# Altium PCB miniBackplane.PcbDoc (part 1 of 24) (continued)
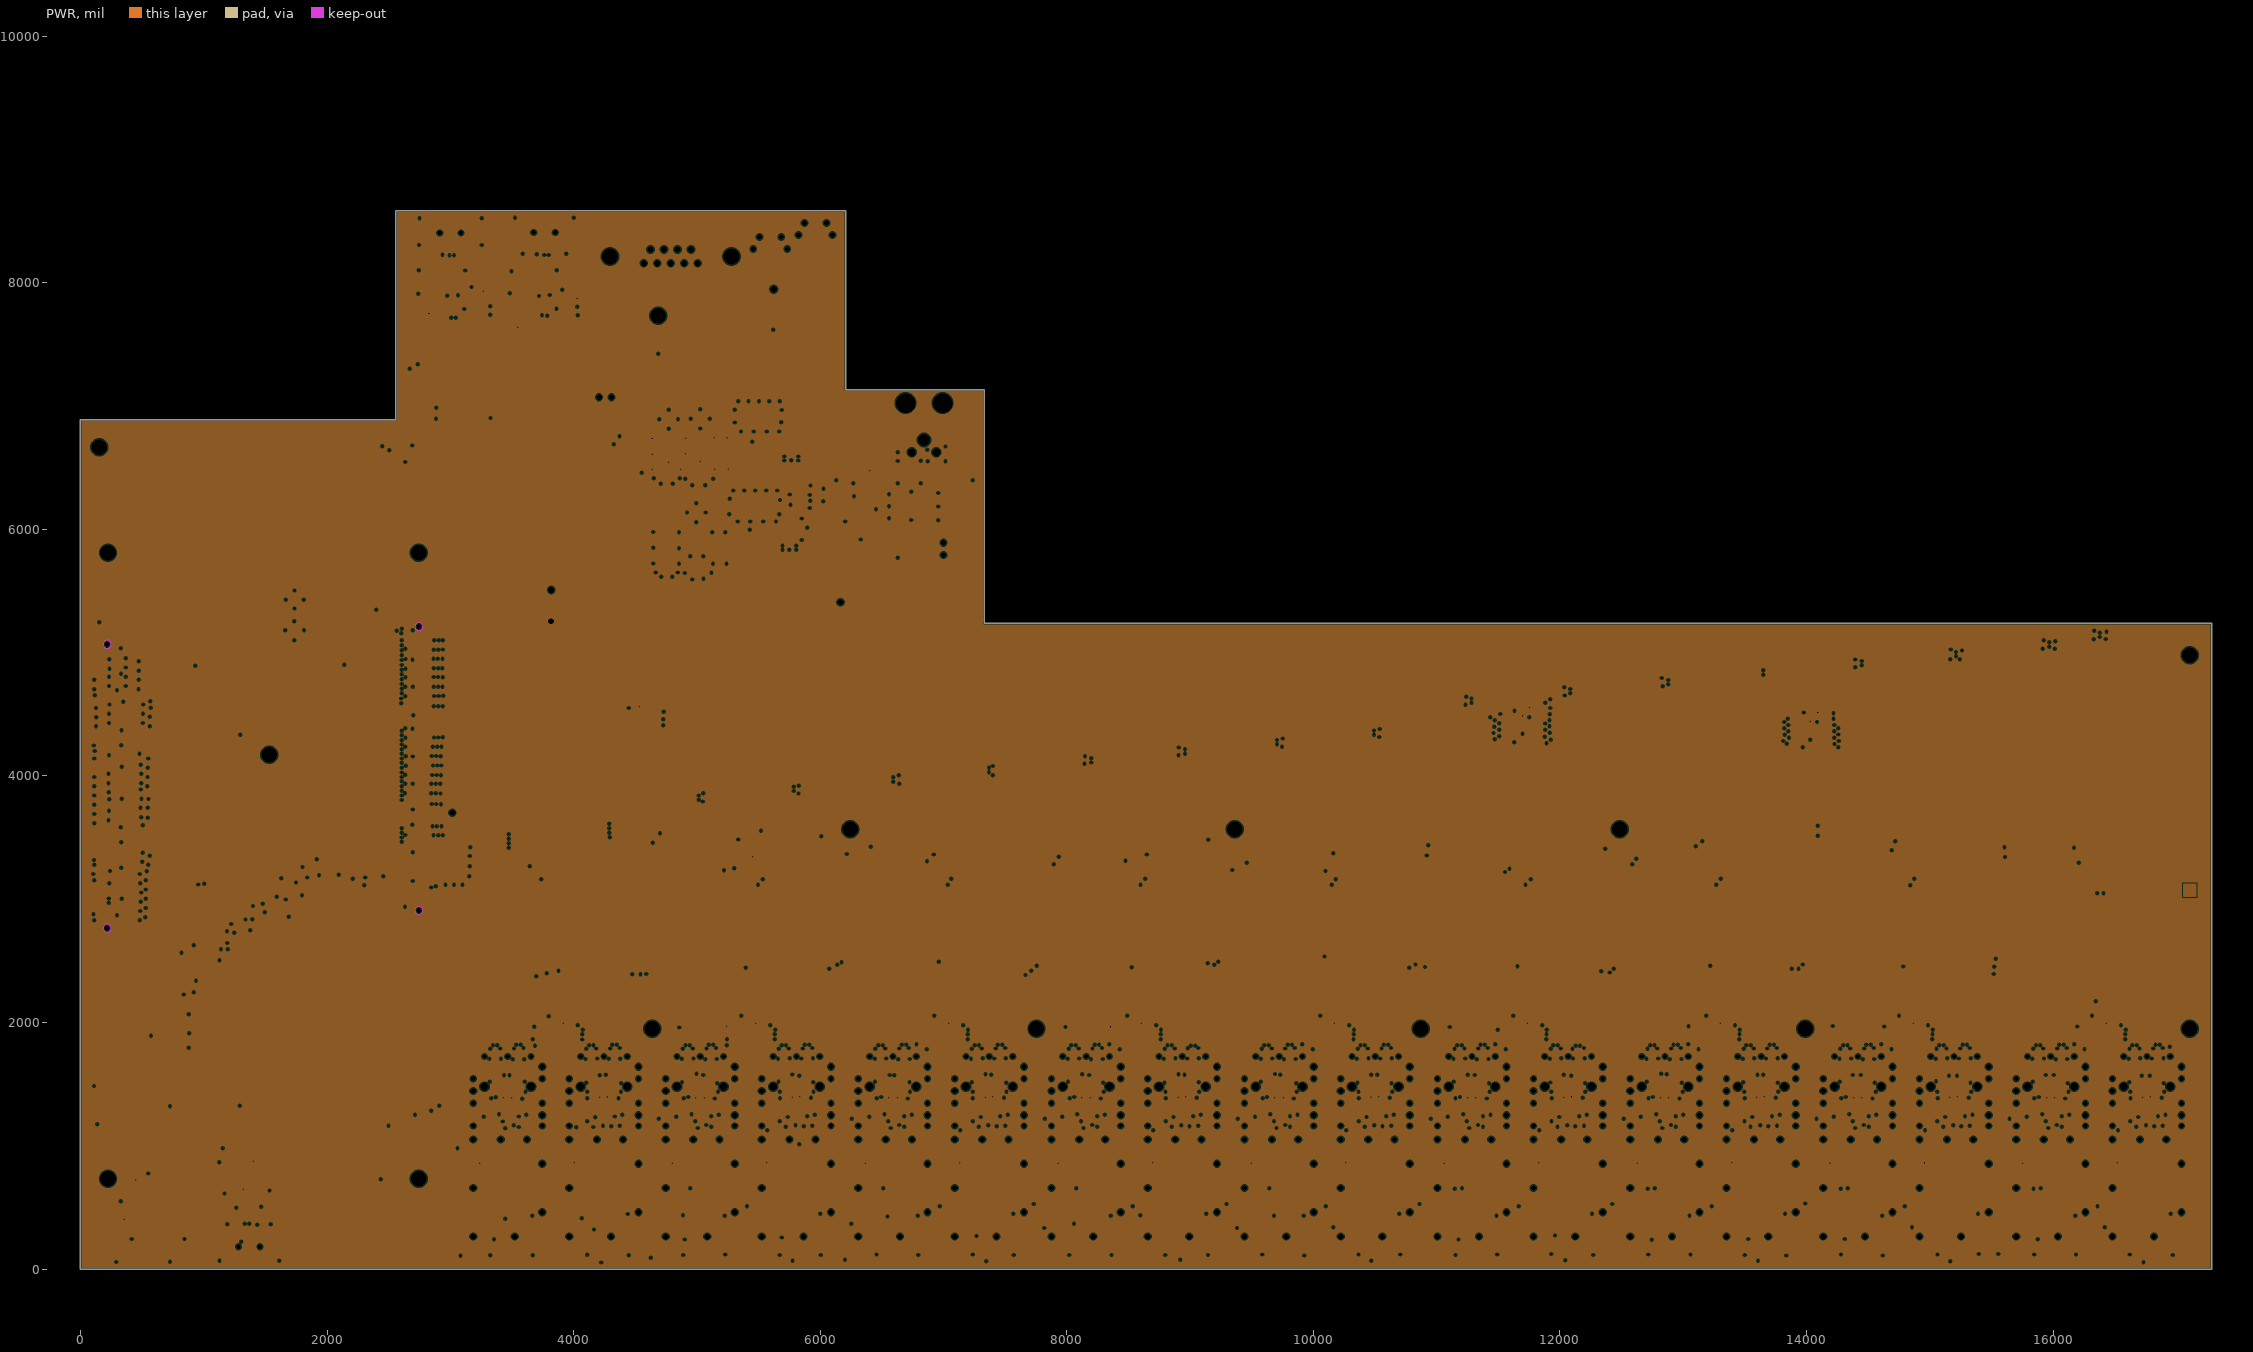
[diagram p4: PWR, clearances drawn from the general rule]
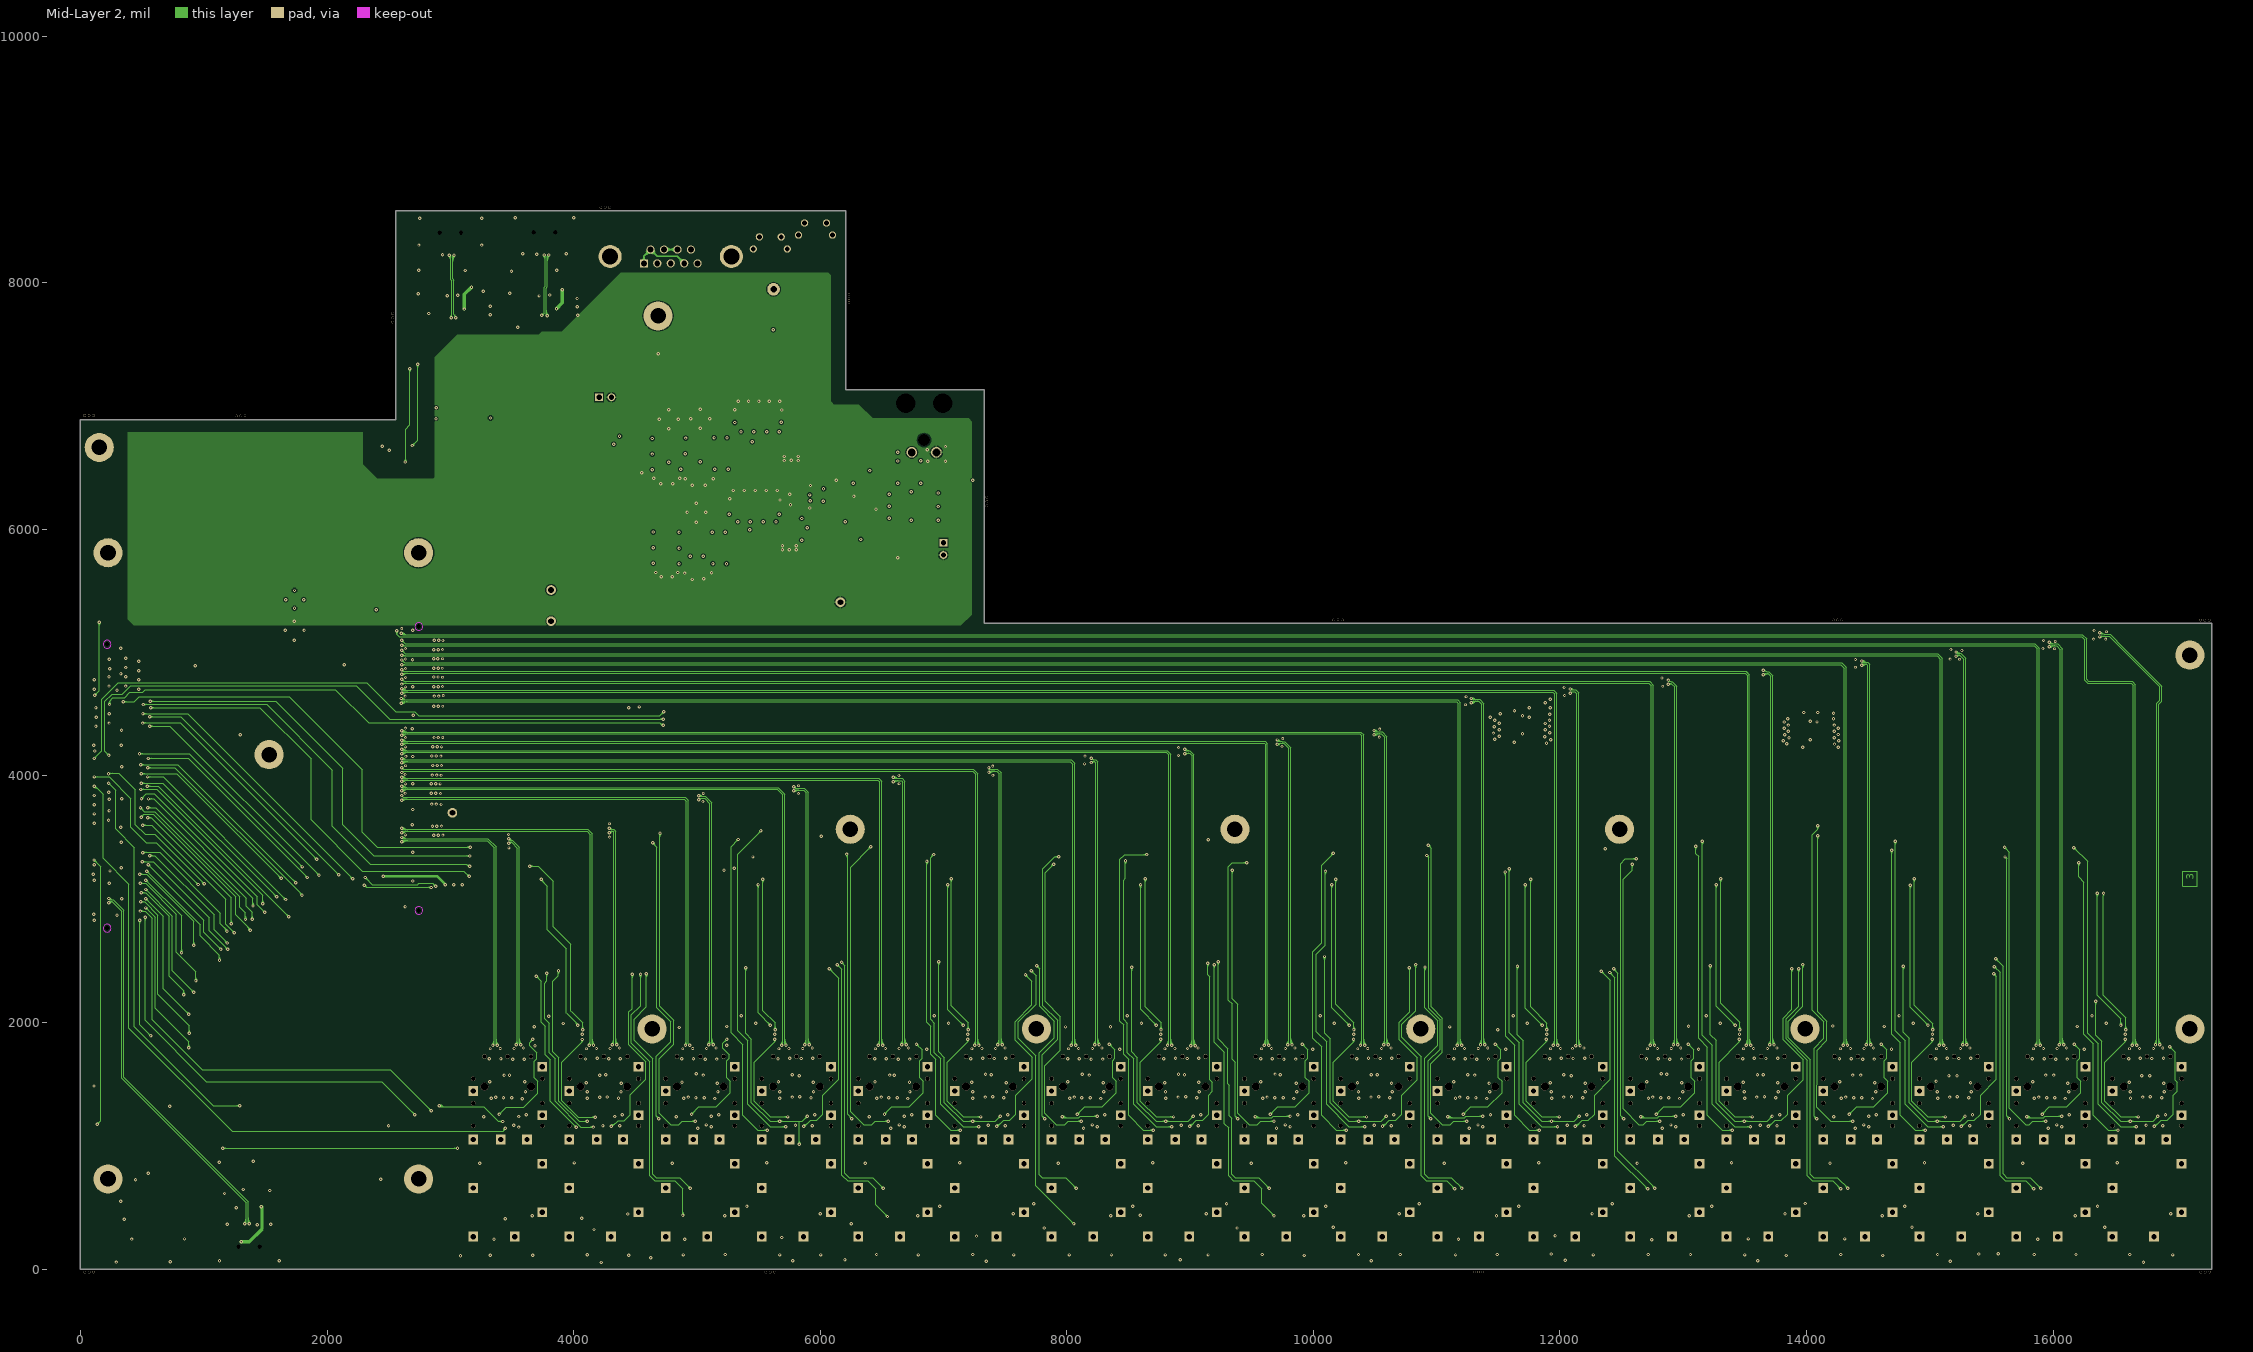
[diagram p5: Mid-Layer 2]
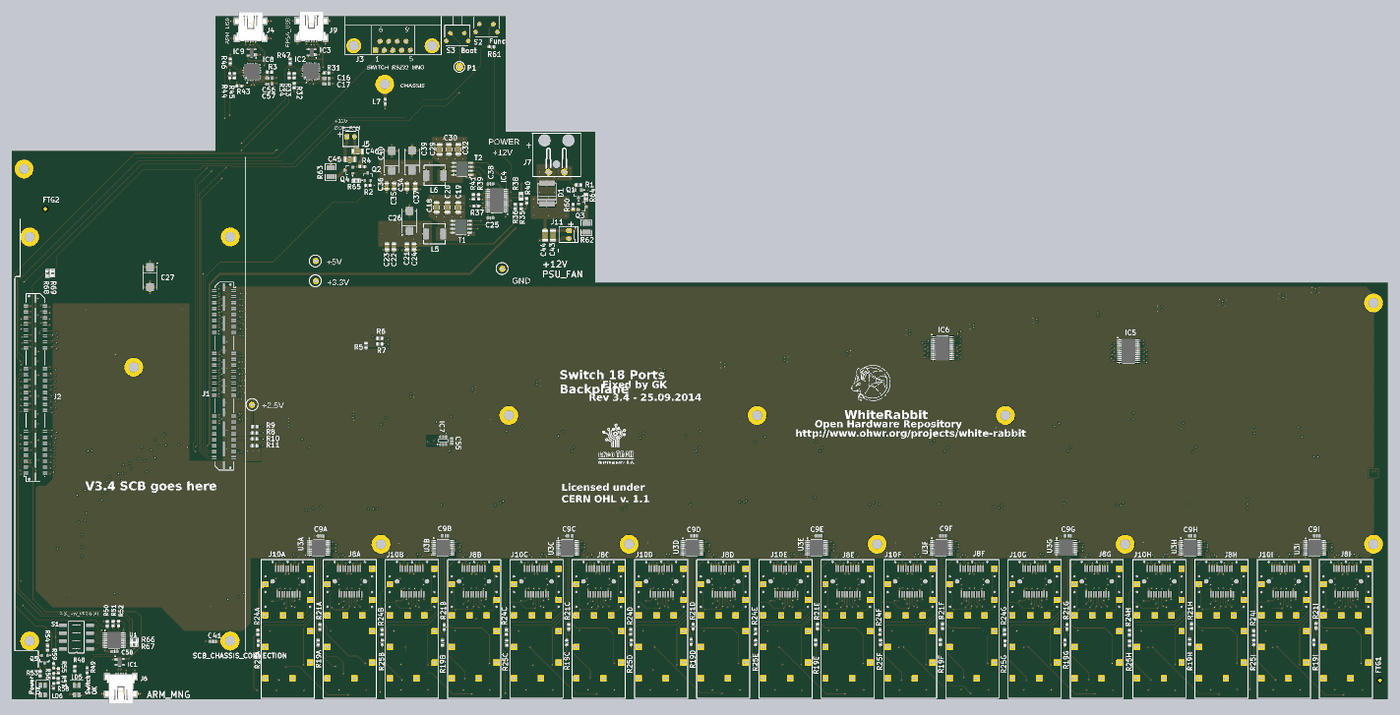
[diagram p29: 3D render of the assembled board from above, using the file's embedded part models]
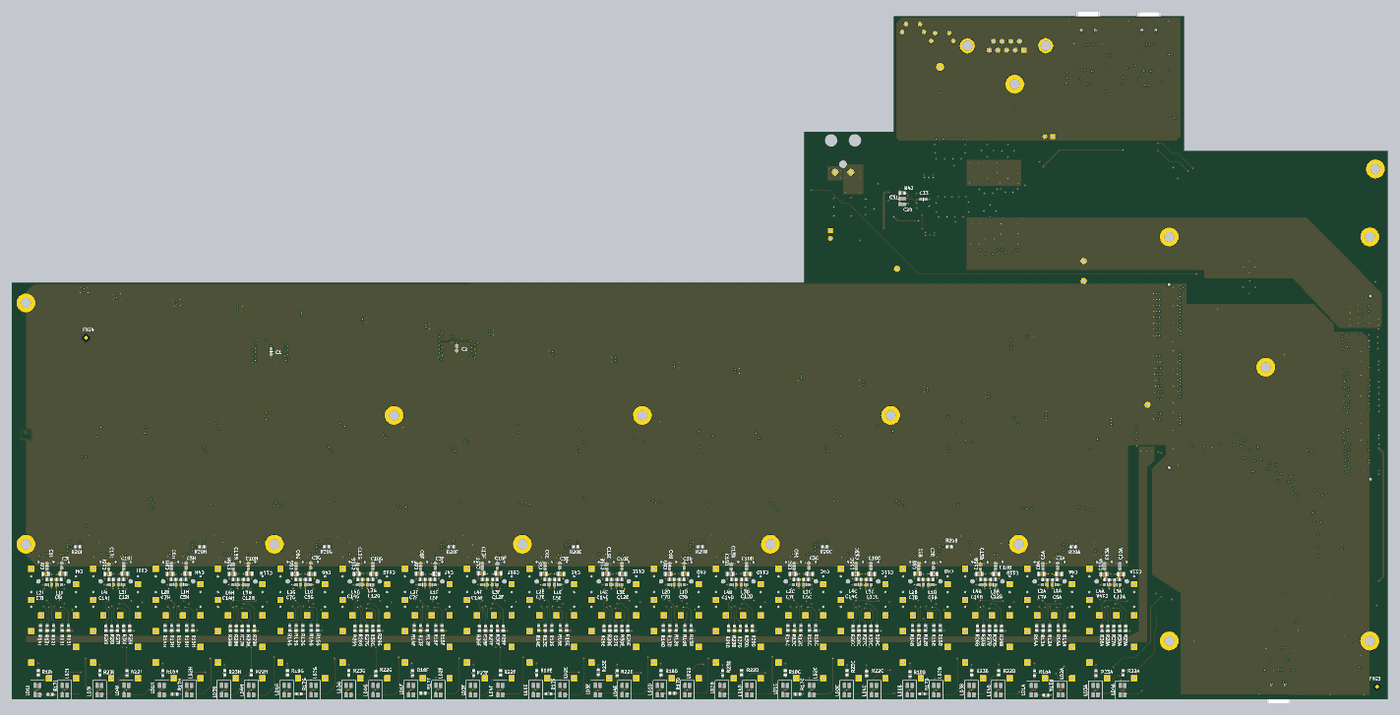
[diagram p30: 3D render of the assembled board from below, using the file's embedded part models]

## Layer stack, top to bottom
Top Layer: signal copper 2.3622
Dielectric: prepreg 8.6614, FR-4, Dk 4.8
Mid-Layer 1: signal copper 0.6693
Dielectric: core 13.7795, FR-4, Dk 4.8
GND: plane copper 1.378, net GND
Dielectric: prepreg 8.6614, FR-4, Dk 4.8
PWR: plane copper 1.378, net +3V3
Dielectric: core 13.7795, FR-4, Dk 4.8
Mid-Layer 2: signal copper 0.6693
Dielectric: prepreg 8.6614, FR-4, Dk 4.8
Bottom Layer: signal copper 2.3622

## Board outline
0,0 0,6889.76 2559.06,6889.76 2559.06,8582.68 6206,8582.68 6206,7132 7330,7132 7330,5236.22 17285.63,5236.22 17285.63,0

## Design rules (kind name [scope] priority, off if disabled: settings)
AcuteAngle [All] p1: minimum=6.00000000000000E+0001 checktracksonly=FALSE
Clearance Clearance_Polygons [InPolygon] p1: gap=7.87
Clearance [All] p2: gap=3.94
DiffPairsRouting [All] p1: maxlimit=9.45 minlimit=5.12 mostfreqgap=8.66 toplayer_maxgap=6.69 toplayer_prefgap=5.91 midlayer1_mingap=7.87 midlayer2_mingap=7.87 bottomlayer_maxgap=6.69 bottomlayer_prefgap=5.91 maxuncoupledlength=1377.95
HoleSize [All] p1: absolutevalues=TRUE maxlimit=275.59 minlimit=7.87 maxpercent=80.000 minpercent=20.000
MinimumSolderMaskSliver [All] p1: minsoldermaskwidth=1.97
PlaneClearance [All] p1: clearance=11.81
PlaneConnect [All] p1: planeconnectstyle=Direct reliefexpansion=20 reliefentries=4 reliefconductorwidth=10 reliefairgap=10
PolygonConnect PolygonConnect_via [All vs isVia] p1: connectstyle=Direct reliefconductorwidth=10 reliefentries=4 polygonreliefangle="90 Angle" airgapwidth=10
PolygonConnect [All] p2: connectstyle=Relief reliefconductorwidth=15.75 reliefentries=4 polygonreliefangle="90 Angle" airgapwidth=10
RoomDefinition Main [InComponentClass('Main')] p1: confinementstyle=ConfineIn formatcopy=TRUE lockcomponents=FALSE outline 112.71,119 2112.71,119 2112.71,1119 112.71,1119
RoomDefinition U_Connector_GTX [InComponentClass('U_Connector_GTX')] p2: confinementstyle=ConfineIn formatcopy=TRUE lockcomponents=FALSE outline 112.71,119 2112.71,119 2112.71,1119 112.71,1119
RoomDefinition U_I2C_Multiplexers [InComponentClass('U_I2C_Multiplexers')] p3: confinementstyle=ConfineIn formatcopy=TRUE lockcomponents=FALSE outline 112.71,119 2112.71,119 2112.71,1119 112.71,1119
RoomDefinition U_TEST_USB [InComponentClass('U_TEST_USB')] p4: confinementstyle=ConfineIn formatcopy=TRUE lockcomponents=FALSE outline 112.71,119 2112.71,119 2112.71,1119 112.71,1119
RoomDefinition U_I2C_Peripherals [InComponentClass('U_I2C_Peripherals')] p5: confinementstyle=ConfineIn formatcopy=TRUE lockcomponents=FALSE outline 17330.71,136 17058,136 17058,437 17330.71,437
RoomDefinition U_Connectors_GPIOs [InComponentClass('U_Connectors_GPIOs')] p6: confinementstyle=ConfineIn formatcopy=TRUE lockcomponents=FALSE outline 17330.71,-45 17011,-45 17011,254 17330.71,254
RoomDefinition U_WR_LINK1 [InComponentClass('U_WR_LINK1')] p7: confinementstyle=ConfineIn formatcopy=TRUE lockcomponents=FALSE outline 3015.35,21.97 4580.35,21.97 4580.35,2427.48 3015.35,2427.48
RoomDefinition U_WR_LINK5 [InComponentClass('U_WR_LINK5')] p8: confinementstyle=ConfineIn formatcopy=TRUE lockcomponents=FALSE outline 9271.81,23.62 10836.81,23.62 10836.81,2423.62 9271.81,2423.62
RoomDefinition U_WR_LINK9 [InComponentClass('U_WR_LINK9')] p9: confinementstyle=ConfineIn formatcopy=TRUE lockcomponents=FALSE outline 15531.38,23.62 17096.38,23.62 17096.38,2423.62 15531.38,2423.62
RoomDefinition U_WR_LINK8 [InComponentClass('U_WR_LINK8')] p10: confinementstyle=ConfineIn formatcopy=TRUE lockcomponents=FALSE outline 13966.38,23.62 15531.38,23.62 15531.38,2423.62 13966.38,2423.62
RoomDefinition U_WR_LINK7 [InComponentClass('U_WR_LINK7')] p11: confinementstyle=ConfineIn formatcopy=TRUE lockcomponents=FALSE outline 12401.38,23.62 13966.38,23.62 13966.38,2423.62 12401.38,2423.62
RoomDefinition U_WR_LINK6 [InComponentClass('U_WR_LINK6')] p12: confinementstyle=ConfineIn formatcopy=TRUE lockcomponents=FALSE outline 10836.38,23.62 12401.38,23.62 12401.38,2423.62 10836.38,2423.62
RoomDefinition U_WR_LINK4 [InComponentClass('U_WR_LINK4')] p13: confinementstyle=ConfineIn formatcopy=TRUE lockcomponents=FALSE outline 7706.81,23.62 9271.81,23.62 9271.81,2423.62 7706.81,2423.62
RoomDefinition U_WR_LINK3 [InComponentClass('U_WR_LINK3')] p14: confinementstyle=ConfineIn formatcopy=TRUE lockcomponents=FALSE outline 6141.81,23.62 7706.81,23.62 7706.81,2423.62 6141.81,2423.62
RoomDefinition U_WR_LINK2 [InComponentClass('U_WR_LINK2')] p15: confinementstyle=ConfineIn formatcopy=TRUE lockcomponents=FALSE outline 4576.81,23.62 6141.81,23.62 6141.81,2423.61 4576.81,2423.61
RoomDefinition U_Power_Supply [InComponentClass('U_Power_Supply')] p16: confinementstyle=ConfineIn formatcopy=TRUE lockcomponents=FALSE outline 6531.22,7127.87 4609.2,7127.87 4609.2,5547.87 6531.22,5547.87
RoutingVias [All] p1: holewidth=11.81 width=27.56 viastyle="Through Hole" minholewidth=11.81 minwidth=27.56 maxholewidth=11.81 maxwidth=27.56
SilkToSilkClearance [All] p1: silktosilkclearance=0.98
SilkscreenOverComponentPads [All] p1: minsilkscreentomaskgap=1
SolderMaskExpansion [All] p1: expansion=4
UnRoutedNet [Not InNet('CHASSIS')] p1:
Width Width_PWR_GND [InNetClass('PWRs&GNDs')] p1: maxlimit=39.37 minlimit=7.87 preferedwidth=19.68 minimp=50.000000 maximp=50.000000 favimp=50.000000
Width Width_Differential_Pairs [(InDifferentialPairClass('All Differential Pairs'))] p2: maxlimit=9.84 minlimit=7.09 preferedwidth=9.84 toplayer_minwidth=9.84 midlayer1_maxwidth=7.09 midlayer1_prefwidth=7.09 midlayer2_maxwidth=7.09 midlayer2_prefwidth=7.09 bottomlayer_minwidth=9.84 minimp=50.000000 maximp=50.000000 favimp=50.000000
Width [All] p3: maxlimit=39.37 minlimit=3.94 preferedwidth=13.78 midlayer1_prefwidth=7.09 midlayer2_prefwidth=7.09 minimp=50.000000 maximp=50.000000 favimp=50.000000
20 further rules are at their usual default settings.

## Classes and differential pairs
net class ARM_2V5_GPIO_PD[10..13]: ARM_2V5_GPIO_PD10 ARM_2V5_GPIO_PD11 ARM_2V5_GPIO_PD12 ARM_2V5_GPIO_PD13 ARM_2V5_GPIO_PD14 ARM_2V5_GPIO_PD15
component class U_I2C_Peripherals: C55 C58 IC7 LD5 LD6 Q5 R48 R49 R50 R51 R52 R53 R54 R55 R56 R57 R58 R59 R66 R67 S1 U1
component class U_WR_LINK9: C3I C4I C5I C6I C7I C8I C9I C10I C11I C12I C13I C14I C15I J8I J10I L1I L2I L3I L4I LD1I LD2I LD3I LD4I R12I R13I R14I R15I R16-9 R16I R17I R18I R19I R20I R21I R22I R23I R24I R25I R26I R27I R28I R29-9 R29I R30-9 R30I U3I
component class U_WR_LINK8: C3H C4H C5H C6H C7H C8H C9H C10H C11H C12H C13H C14H C15H J8H J10H L1H L2H L3H L4H LD1H LD2H LD3H LD4H R12H R13H R14H R15H R16-8 R16H R17H R18H R19H R20H R21H R22H R23H R24H R25H R26H R27H R28H R29-8 R29H R30-8 R30H U3H
component class U_WR_LINK7: C3G C4G C5G C6G C7G C8G C9G C10G C11G C12G C13G C14G C15G J8G J10G L1G L2G L3G L4G LD1G LD2G LD3G LD4G R12G R13G R14G R15G R16-7 R16G R17G R18G R19G R20G R21G R22G R23G R24G R25G R26G R27G R28G R29-7 R29G R30-7 R30G U3G
component class U_WR_LINK6: C3F C4F C5F C6F C7F C8F C9F C10F C11F C12F C13F C14F C15F J8F J10F L1F L2F L3F L4F LD1F LD2F LD3F LD4F R12F R13F R14F R15F R16-6 R16F R17F R18F R19F R20F R21F R22F R23F R24F R25F R26F R27F R28F R29-6 R29F R30-6 R30F U3F
component class U_WR_LINK5: C3E C4E C5E C6E C7E C8E C9E C10E C11E C12E C13E C14E C15E J8E J10E L1E L2E L3E L4E LD1E LD2E LD3E LD4E R12E R13E R14E R15E R16-5 R16E R17E R18E R19E R20E R21E R22E R23E R24E R25E R26E R27E R28E R29-5 R29E R30-5 R30E U3E
component class U_WR_LINK4: C3D C4D C5D C6D C7D C8D C9D C10D C11D C12D C13D C14D C15D J8D J10D L1D L2D L3D L4D LD1D LD2D LD3D LD4D R12D R13D R14D R15D R16-4 R16D R17D R18D R19D R20D R21D R22D R23D R24D R25D R26D R27D R28D R29-4 R29D R30-4 R30D U3D
component class U_WR_LINK3: C3C C4C C5C C6C C7C C8C C9C C10C C11C C12C C13C C14C C15C J8C J10C L1C L2C L3C L4C LD1C LD2C LD3C LD4C R12C R13C R14C R15C R16C R17C R18C R19C R20C R21C R22C R23C R24C R25C R26C R27C R28C R29C R30C U3C
component class U_WR_LINK2: C3B C4B C5B C6B C7B C8B C9B C10B C11B C12B C13B C14B C15B J8B J10B L1B L2B L3B L4B LD1B LD2B LD3B LD4B R12B R13B R14B R15B R16B R17B R18B R19B R20B R21B R22B R23B R24B R25B R26B R27B R28B R29B R30B U3B
component class U_WR_LINK1: C3A C4A C5A C6A C7A C8A C9A C10A C11A C12A C13A C14A C15A J8A J10A L1A L2A L3A L4A LD1A LD2A LD3A LD4A R12A R13A R14-1 R14A R15A R16-1 R16A R17A R18A R19A R20A R21A R22A R23A R24A R25A R26A R27A R28A R29-1 R29A R30-1 R30A U3A
component class U_I2C_Multiplexers: C1 C2 IC5 IC6 R5 R6 R7
net class I2C_DL_SD[0..15]: I2C_DL_SD0 I2C_DL_SD1 I2C_DL_SD2 I2C_DL_SD3 I2C_DL_SD4 I2C_DL_SD5 I2C_DL_SD6 I2C_DL_SD7 I2C_DL_SD8 I2C_DL_SD9 I2C_DL_SD10 I2C_DL_SD11 I2C_DL_SD12 I2C_DL_SD13 I2C_DL_SD14 I2C_DL_SD15
net class I2C_DL_SC[0..15]: I2C_DL_SC0 I2C_DL_SC1 I2C_DL_SC2 I2C_DL_SC3 I2C_DL_SC4 I2C_DL_SC5 I2C_DL_SC6 I2C_DL_SC7 I2C_DL_SC8 I2C_DL_SC9 I2C_DL_SC10 I2C_DL_SC11 I2C_DL_SC12 I2C_DL_SC13 I2C_DL_SC14 I2C_DL_SC15
net class FPGA_GPIO[0..35]: FPGA_GPIO0 FPGA_GPIO1 FPGA_GPIO2 FPGA_GPIO3 FPGA_GPIO4 FPGA_GPIO5 FPGA_GPIO6 FPGA_GPIO7 FPGA_GPIO8 FPGA_GPIO9 FPGA_GPIO10 FPGA_GPIO11 FPGA_GPIO12 FPGA_GPIO13 FPGA_GPIO14 FPGA_GPIO15 FPGA_GPIO16 FPGA_GPIO17 FPGA_GPIO18 FPGA_GPIO19 FPGA_GPIO20 FPGA_GPIO21 FPGA_GPIO22 FPGA_GPIO23 FPGA_GPIO24 FPGA_GPIO25 FPGA_GPIO26 FPGA_GPIO27 FPGA_GPIO28 FPGA_GPIO29 FPGA_GPIO30 FPGA_GPIO31 FPGA_GPIO32 FPGA_GPIO33 FPGA_GPIO34 FPGA_GPIO35
net class ARM_3V3_GPIO_PB[0..7]: ARM_3V3_GPIO_PB0 ARM_3V3_GPIO_PB1 ARM_3V3_GPIO_PB2 ARM_3V3_GPIO_PB3 ARM_3V3_GPIO_PB4 ARM_3V3_GPIO_PB5 ARM_3V3_GPIO_PB6 ARM_3V3_GPIO_PB7
net class ARM_2V5_GPIO_PE[0..15]: ARM_2V5_GPIO_PE0 ARM_2V5_GPIO_PE1 ARM_2V5_GPIO_PE2 ARM_2V5_GPIO_PE3 ARM_2V5_GPIO_PE4 ARM_2V5_GPIO_PE5 ARM_2V5_GPIO_PE6 ARM_2V5_GPIO_PE7 ARM_2V5_GPIO_PE8 ARM_2V5_GPIO_PE9 ARM_2V5_GPIO_PE10 ARM_2V5_GPIO_PE11 ARM_2V5_GPIO_PE12 ARM_2V5_GPIO_PE13 ARM_2V5_GPIO_PE14 ARM_2V5_GPIO_PE15
component class U_Power_Supply: C18 C19 C20 C21 C22 C23 C24 C25 C26 C27 C28 C29 C30 C31 C32 C33 C34 C35 C36 C37 C38 C39 C40 IC4 L5 L6 R35 R36 R37 R38 R39 R40 R41 R42 T1 T2
component class U_TEST_USB: C16 C17 C56 C57 IC2 IC3 IC8 IC9 J4 J9 R3 R31 R32 R33 R34 R43 R44 R45 R46 R47
component class U_Connectors_GPIOs: C43 C44 C45 C46 D1 IC1 J2 J3 J5 J6 J7 J11 P1 Q1 Q2 Q3 Q4 R1 R2 R4 R60 R61 R62 R63 R64 R65 R68 R69 S2 S3
component class U_Connector_GTX: J1
component class Main: C41 FTG1 FTG2 FTG3 FTG4 FTG5 FTG6 FTG7 FTG8 FTG9 FTG10 L7 R8 R9 R10 R11
differential pair USB_FPGA: +USB_TEST_P -USB_TEST_N
differential pair USB_DDP: +USB_DDP_P -USB_DDP_N
differential pair MGTTX116_3: +MGTTX116_3_P -MGTTX116_3_N
differential pair MGTTX116_2: +MGTTX116_2_P -MGTTX116_2_N
differential pair MGTTX116_1: +MGTTX116_1_P -MGTTX116_1_N
differential pair MGTTX116_0: +MGTTX116_0_P -MGTTX116_0_N
differential pair MGTTX115_3: +MGTTX115_3_P -MGTTX115_3_N
differential pair MGTTX115_2: +MGTTX115_2_P -MGTTX115_2_N
differential pair MGTTX115_1: +MGTTX115_1_P -MGTTX115_1_N
differential pair MGTTX115_0: +MGTTX115_0_P -MGTTX115_0_N
differential pair MGTTX114_3: +MGTTX114_3_P -MGTTX114_3_N
differential pair MGTTX114_2: +MGTTX114_2_P -MGTTX114_2_N
differential pair MGTTX114_1: +MGTTX114_1_P -MGTTX114_1_N
differential pair MGTTX114_0: +MGTTX114_0_P -MGTTX114_0_N
differential pair MGTTX113_3: +MGTTX113_3_P -MGTTX113_3_N
differential pair MGTTX113_2: +MGTTX113_2_P -MGTTX113_2_N
differential pair MGTTX113_1: +MGTTX113_1_P -MGTTX113_1_N
differential pair MGTTX113_0: +MGTTX113_0_P -MGTTX113_0_N
differential pair MGTTX112_3: +MGTTX112_3_P -MGTTX112_3_N
differential pair MGTTX112_2: +MGTTX112_2_P -MGTTX112_2_N
differential pair MGTTX112_1: +MGTTX112_1_P -MGTTX112_1_N
differential pair MGTTX112_0: +MGTTX112_0_P -MGTTX112_0_N
differential pair MGTRX116_3: +MGTRX116_3_P -MGTRX116_3_N
differential pair MGTRX116_2: +MGTRX116_2_P -MGTRX116_2_N
differential pair MGTRX116_1: +MGTRX116_1_P -MGTRX116_1_N
differential pair MGTRX116_0: +MGTRX116_0_P -MGTRX116_0_N
differential pair MGTRX115_3: +MGTRX115_3_P -MGTRX115_3_N
differential pair MGTRX115_2: +MGTRX115_2_P -MGTRX115_2_N
differential pair MGTRX115_1: +MGTRX115_1_P -MGTRX115_1_N
differential pair MGTRX115_0: +MGTRX115_0_P -MGTRX115_0_N
differential pair MGTRX114_3: +MGTRX114_3_P -MGTRX114_3_N
differential pair MGTRX114_2: +MGTRX114_2_P -MGTRX114_2_N
differential pair MGTRX114_1: +MGTRX114_1_P -MGTRX114_1_N
differential pair MGTRX114_0: +MGTRX114_0_P -MGTRX114_0_N
differential pair MGTRX113_3: +MGTRX113_3_P -MGTRX113_3_N
differential pair MGTRX113_2: +MGTRX113_2_P -MGTRX113_2_N
differential pair MGTRX113_1: +MGTRX113_1_P -MGTRX113_1_N
differential pair MGTRX113_0: +MGTRX113_0_P -MGTRX113_0_N
differential pair MGTRX112_3: +MGTRX112_3_P -MGTRX112_3_N
differential pair MGTRX112_2: +MGTRX112_2_P -MGTRX112_2_N
differential pair MGTRX112_1: +MGTRX112_1_P -MGTRX112_1_N
differential pair MGTRX112_0: +MGTRX112_0_P -MGTRX112_0_N
differential pair USB_ARM_TEST: +USB_ARM_TEST_P -USB_ARM_TEST_N
